# KiCad board MegaDrive.kicad_pcb (continued)
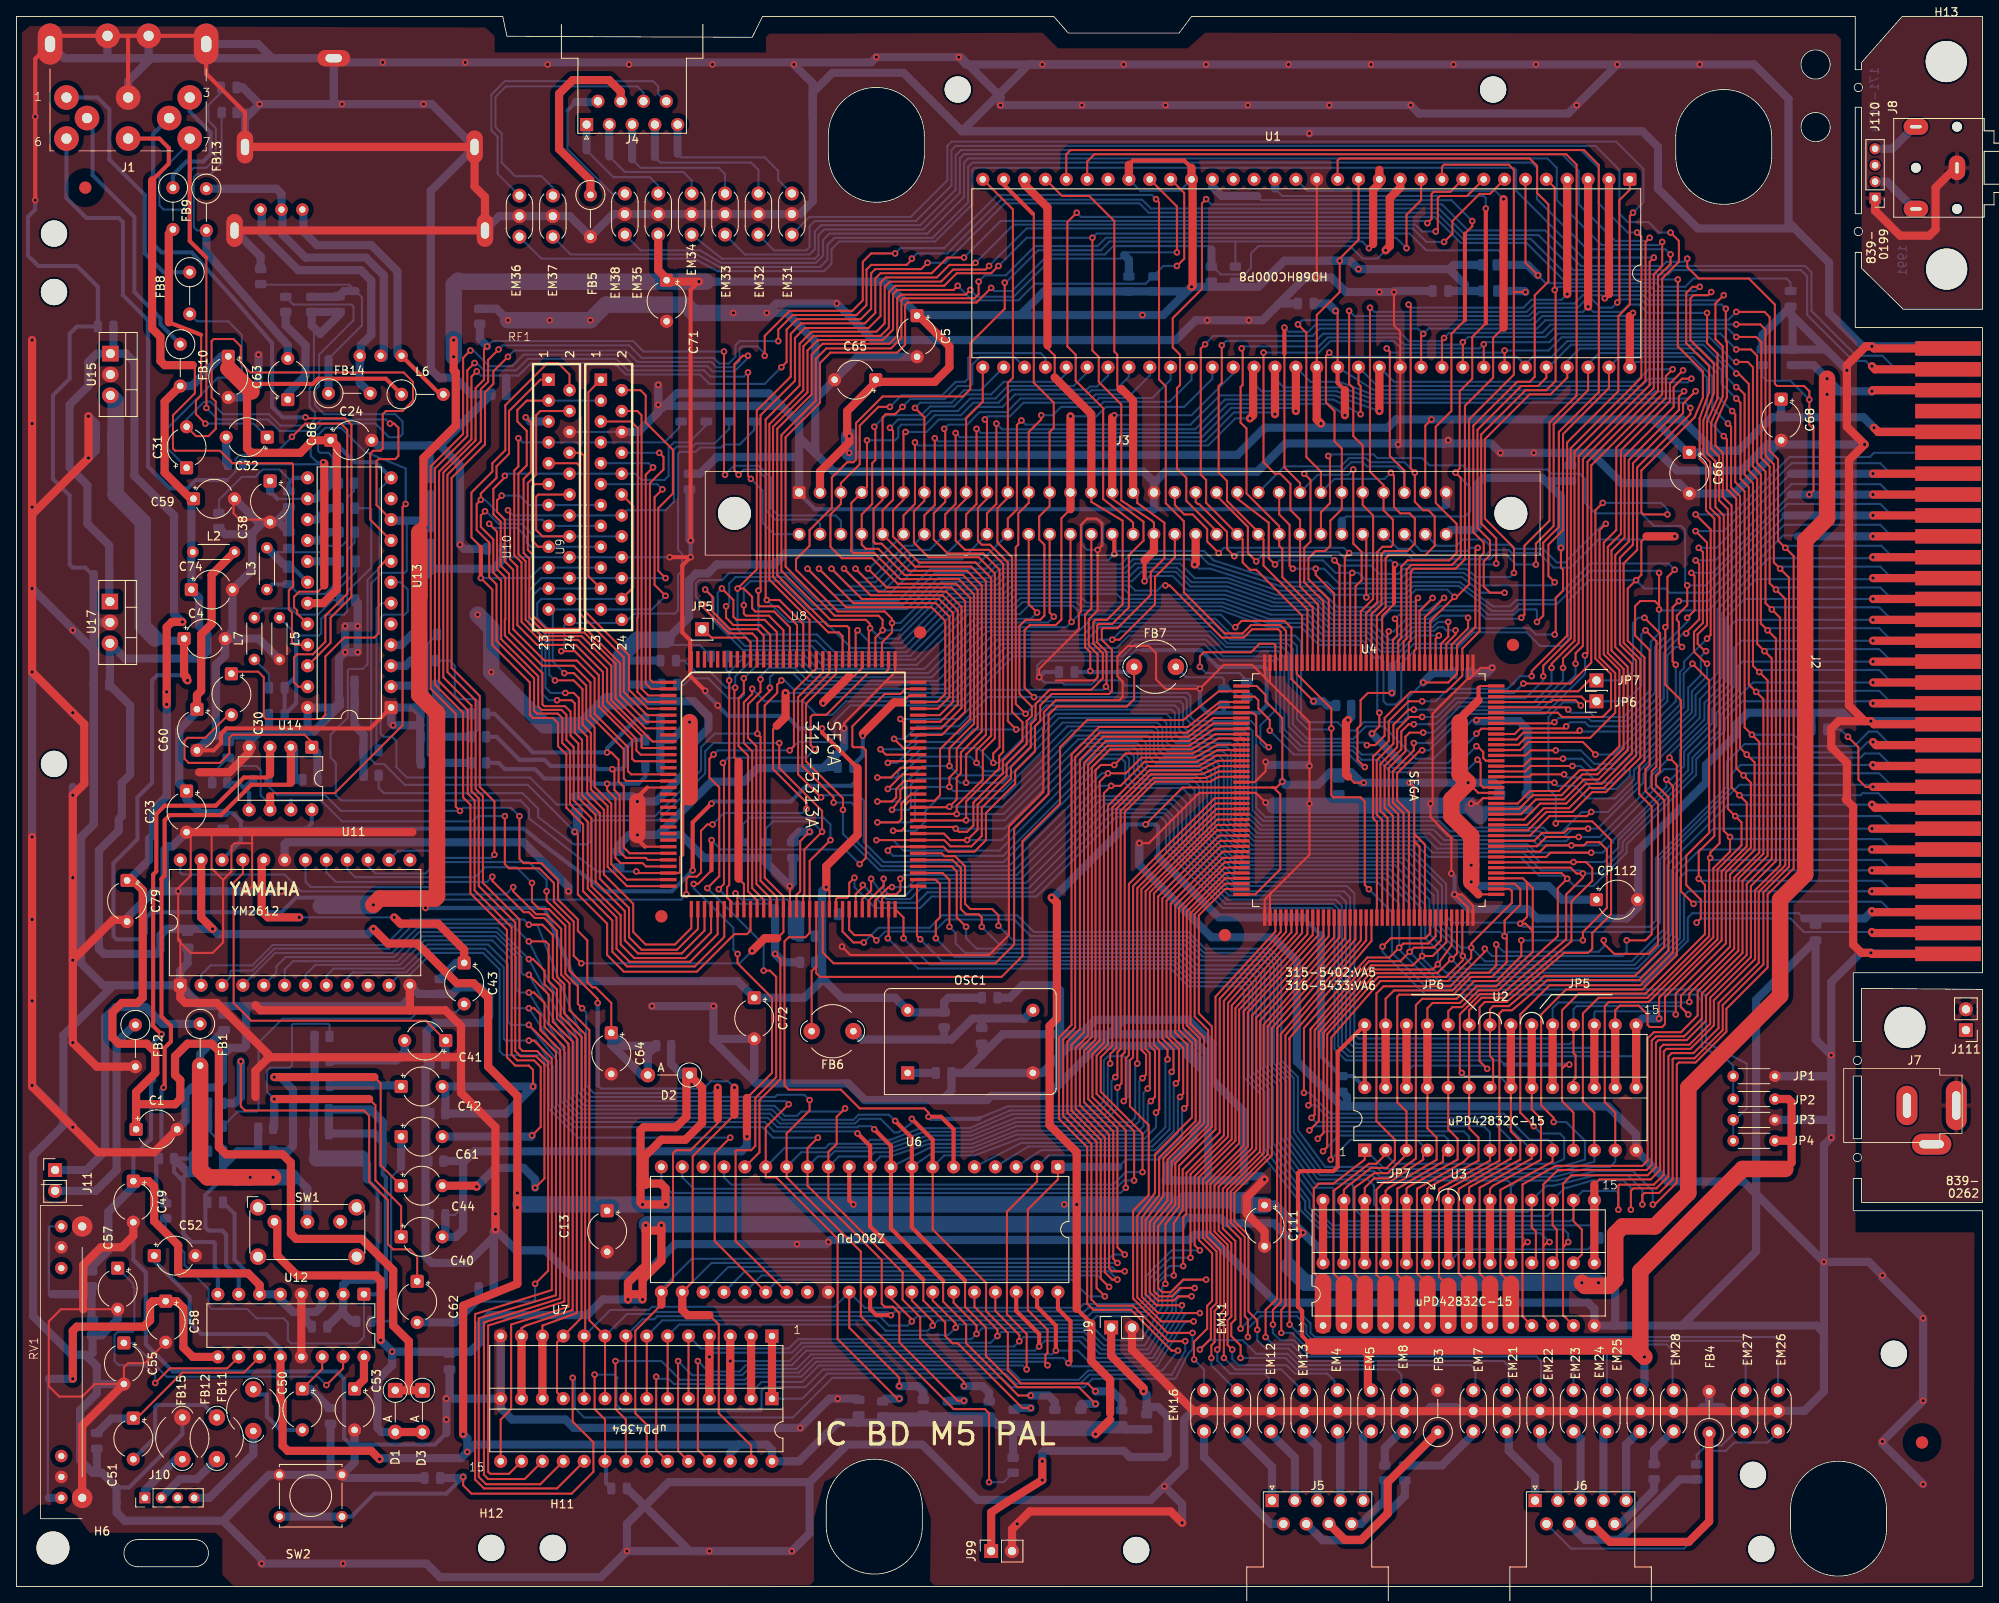
[diagram p0: board, top side]
## Routing (per net, layer and track width the routed paths; a pad name or vN(x,y) marks a point on that pad's centre or on a via; arc(x,y) is an arc through that point) (continued)
/VA10: length 315.3
  Top w0.25: 179.71,86.81 188.02,86.81 v1(188.72,86.11) 187.58,84.96 187.58,79.12 180.34,72.53 177.94,72.53 175.89,70.49 174.75,70.49 174.24,69.98 U2.24 U2.24 174.24,55.63 175.39,54.48 175.39,51.95 169.42,48.64 169.16,48.39 U3.24 ; v1(115.57,97.79) 115.57,101.22 117.98,103.63 117.98,122.3 116.2,124.08 109.35,124.08 J3.b5 105.41,130.94 106.68,132.21 106.68,140.59 v1(106.3,140.97) ; v1(106.55,94.49) 107.57,95.89 107.57,96.9 107.87,97.2 109.59,97.2
  Top w1: U3.24 U3.24 ; J2.b13 v1(225.93,107.44)
  Bottom w0.25: v1(106.55,94.49) 108.58,94.49 108.84,94.74 108.84,97.54 109.6,98.3 114.3,98.3 114.81,97.79 v1(115.57,97.79) 120.02,97.79 127.32,105.1 138.87,105.1 139.45,104.52 139.45,102.24 140.08,101.6 146.81,101.6 147.38,101.03 147.38,93.16 150.37,90.17 170.43,90.17 171.83,88.77 183.01,88.77 185.29,86.49 188.34,86.49 v1(188.72,86.11) 189.61,85.22 191.9,85.22 195.96,89.28 195.96,90.3 204.41,98.75 204.41,100.65 207.9,104.14 207.9,105.54 210.06,107.7 225.68,107.7 v1(225.93,107.44) ; v1(106.3,140.97) 107.32,141.99 110.36,141.99 111.38,143 114.55,143 116.08,144.53 119.13,144.53 120.65,146.05 128.65,146.05 130.3,147.7
/VA11: length 340.8
  Top w0.25: v1(175.89,62.48) 175.66,62.72 175.66,69.62 178.12,72.08 180.72,72.08 188.59,78.74 188.59,84.2 190.63,86.23 v1(190.63,86.74) 189.86,86.74 189.14,87.46 179.71,87.46 ; v1(104.77,95.5) 106.55,95.5 107.06,96.01 107.06,97.03 108.04,98 109.59,98 ; v1(113.54,99.82) 113.54,101.98 116.53,104.97 116.53,120.71 114.68,122.56 107.57,122.56 104.39,125.73 101.85,125.73 101.6,125.98 101.6,131.83 J3.a4 103.51,133.73 v1(103.51,139.45) ; U2.21 181.86,55.37 183.01,54.23 183.01,51.94 176.91,48.64 176.78,48.51 U3.21
  Top w1: J2.b14 v1(225.93,109.98) ; U3.21 U3.21 ; U2.21 U2.21
  Bottom w0.25: U1.39 132.84,147.32 131.51,145.99 130.62,145.99 130.23,145.6 121.09,145.6 119.51,144.02 116.46,144.02 114.93,142.49 111.76,142.49 110.62,141.35 107.7,141.35 107.32,140.97 107.32,139.83 106.93,139.45 v1(103.51,139.45) ; v1(104.77,95.5) 108.2,95.5 108.33,95.63 108.33,97.92 110.24,99.82 v1(113.54,99.82) 114.68,98.68 119.89,98.68 126.87,105.66 139.32,105.66 139.95,105.03 139.95,102.74 140.53,102.17 147.26,102.17 147.83,101.6 147.83,93.47 150.62,90.68 170.94,90.68 172.34,89.28 183.39,89.28 185.55,87.12 190.25,87.12 v1(190.63,86.74) 192.66,86.74 195.45,89.54 195.45,90.55 203.96,99.06 203.96,100.84 207.39,104.27 207.39,106.05 211.33,109.98 v1(225.93,109.98) ; U2.21 180.47,62.1 176.28,62.1 v1(175.89,62.48)
/VA12: length 322.4
  Top w0.25: 179.71,88.11 189.45,88.11 v1(189.48,88.14) 191.01,88.14 191.77,87.38 191.77,85.85 189.23,83.31 189.23,78.49 184.15,74.17 181.1,71.63 178.31,71.63 176.78,70.1 U2.23 U2.23 176.78,55.75 177.93,54.61 177.93,51.82 171.96,48.64 171.7,48.39 U3.23 ; v1(116.84,100.2) 116.84,101.73 118.62,103.51 118.62,122.68 116.71,124.59 109.82,124.59 106.68,127.73 106.68,130.94 107.95,132.21 J3.a6 107.95,140.21 v1(108.2,140.46) ; v1(106.05,97.03) 107.82,98.8 109.59,98.8
  Top w1: U3.23 U3.23 ; J2.b15 v1(225.93,112.52)
  Bottom w0.25: v1(106.05,97.03) 107.7,97.03 107.82,97.16 107.82,98.81 109.98,100.97 116.08,100.97 v1(116.84,100.2) 117.86,99.19 119.51,99.19 126.49,106.17 139.95,106.17 140.46,105.66 140.46,103.25 141.1,102.62 147.7,102.62 148.34,101.98 148.34,93.6 150.76,91.18 171.46,91.18 172.85,89.79 183.77,89.79 185.42,88.14 v1(189.48,88.14) 193.17,88.14 194.94,89.92 194.94,90.8 203.45,99.31 203.45,101.22 206.88,104.65 206.88,106.3 209.55,108.97 209.55,112.01 210.06,112.52 v1(225.93,112.52) ; v1(108.2,140.46) 110.74,140.46 112.27,141.99 115.32,141.99 116.84,143.51 120.02,143.51 121.54,145.03 130.3,145.03 130.81,145.54 133.73,145.54 135.38,147.19 U1.40
/VA13: length 370.4
  Top w0.25: v1(191.64,89.28) 186.69,89.28 186.17,88.76 179.71,88.76 ; v1(184.66,56.01) 183.01,57.66 183.01,69.6 186.56,73.15 197.61,73.15 201.61,77.15 201.61,97.35 v1(200.79,98.17) ; v1(104.77,98.43) 106.43,98.43 107.61,99.6 109.59,99.6 ; 161.54,36.83 160.27,38.1 160.27,48.13 164.59,51.44 165.48,51.44 166.62,52.58 ; v1(112.9,140.84) 113.03,140.72 J3.a8 113.03,131.95 111.63,130.56 111.63,127.38 113.34,125.67 117.66,125.67 119.63,123.7 119.63,102.11 118.87,101.35 v1(118.87,100.2)
  Top w1: J2.b16 v1(225.93,115.06)
  Top w2: 161.54,36.83 U3.2
  Bottom w0.25: v1(184.66,56.01) 185.55,55.12 187.83,55.12 188.36,54.59 188.36,52.09 188.21,51.94 187.07,51.44 167.77,51.44 166.62,52.58 ; v1(225.93,115.06) 209.93,115.06 209.04,114.17 209.04,109.47 206.38,106.81 206.38,105.03 202.95,101.6 202.95,99.82 201.3,98.17 v1(200.79,98.17) 200.79,97.28 194.31,90.81 194.31,90.55 193.04,89.28 v1(191.64,89.28) 184.91,89.28 183.9,90.3 173.36,90.3 172.03,91.63 151.07,91.63 148.9,93.8 148.9,102.43 148.21,103.12 141.61,103.12 140.97,103.76 140.97,106.3 140.59,106.68 125.98,106.68 119.51,100.2 v1(118.87,100.2) 117.09,101.98 110.11,101.98 107.32,99.19 107.32,98.68 107.06,98.43 v1(104.77,98.43) ; v1(112.9,140.84) 113.41,141.35 115.7,141.35 117.22,142.88 120.52,142.88 122.17,144.53 130.81,144.53 131.32,145.03 135.64,145.03 137.92,147.32 U1.41
/VA14: length 321.5
  Top w0.25: v1(106.05,100.2) 106.25,100.4 109.59,100.4 ; v1(190.63,78.61) 190.63,79.63 193.55,82.55 193.55,89.66 192.66,90.55 191.13,90.55 190.75,90.17 v1(189.23,90.17) 186.18,90.17 185.42,89.41 179.71,89.41 ; U3.26 164.08,48.51 165.23,49.66 166.96,49.66 167.1,49.76 170.31,52.07 170.31,70.74 171.07,71.5 175.26,71.5 177.42,73.66 180.09,73.66 183.13,76.71 v1(183.13,78.61) ; v1(117.86,141.99) 118.11,141.73 J3.a10 118.11,132.33 117.01,131.23 117.01,127.21 117.48,126.75 118.49,126.75 120.65,124.59 120.65,105.28 v1(121.67,104.27)
  Top w1: U3.26 U3.26 ; J2.b17 v1(225.93,117.6)
  Bottom w0.25: v1(225.93,117.6) 209.3,117.6 208.53,116.84 208.53,109.86 205.87,107.19 205.87,105.16 202.44,101.73 202.44,99.95 201.93,99.44 200.53,99.44 199.52,98.43 199.52,97.16 192.53,90.17 v1(189.23,90.17) 185.17,90.17 184.53,90.81 173.74,90.81 172.47,92.08 151.38,92.08 149.35,94.11 149.35,103 148.72,103.63 142.11,103.63 141.48,104.27 141.48,106.68 140.97,107.19 125.35,107.19 122.43,104.27 v1(121.67,104.27) 116.46,104.27 114.93,102.74 109.73,102.74 107.19,100.2 v1(106.05,100.2) ; U1.42 140.46,146.81 138.23,144.58 131.76,144.58 131.19,144.02 122.55,144.02 120.9,142.37 118.24,142.37 v1(117.86,141.99) ; v1(183.13,78.61) v1(190.63,78.61)
/VA15: length 358.7
  Top w0.25: v1(122.81,106.17) 121.61,107.37 121.61,126.43 121.92,126.75 121.92,130.56 123.19,131.83 J3.a12 123.19,140.46 124.71,141.99 v1(124.71,142.49) ; U2.1 164.08,51.94 160.27,49.02 158.5,49.02 157.88,48.41 157.88,38.21 159,37.08 ; v1(201.17,100.84) 202.06,99.95 202.06,76.84 197.87,72.64 188.6,72.64 185.55,69.6 185.55,58.55 187.07,57.02 v1(187.07,56.52) ; v1(105.16,101.85) 105.81,101.2 109.59,101.2 ; v1(190.12,91.19) 186.18,91.19 185.05,90.06 179.71,90.06
  Top w1: J2.b18 v1(225.93,120.14)
  Top w2: 159,37.08 U3.1
  Bottom w0.25: v1(225.93,120.14) 210.31,120.14 208.03,117.86 208.03,110.11 205.42,107.5 205.42,105.47 201.17,101.22 v1(201.17,100.84) 198.88,98.55 198.88,97.41 192.66,91.19 v1(190.12,91.19) 189.1,91.19 188.6,90.68 185.55,90.68 184.91,91.31 174.12,91.31 172.85,92.58 151.51,92.58 149.86,94.23 149.86,103.63 149.35,104.14 142.49,104.14 141.98,104.66 141.98,107.33 141.61,107.7 124.34,107.7 122.82,106.17 v1(122.81,106.17) 117.09,106.17 114.68,103.76 109.98,103.76 108.08,101.85 v1(105.16,101.85) ; U1.43 143,146.81 140.32,144.13 132.32,144.13 131.7,143.51 127.13,143.51 126.11,142.49 v1(124.71,142.49) ; v1(187.07,56.52) 188.6,56.52 190.88,54.23 190.88,51.94 187.07,50.8 166.5,50.8 164.21,53.09
/VA16: length 238.8
  Top w0.25: v1(123.83,108.2) 122.68,109.35 122.68,116.33 123.32,116.97 126.49,116.97 127.17,117.65 127.17,129.96 128.27,131.06 ; 179.71,90.71 184.69,90.71 185.67,91.69 188.34,91.69 188.85,92.2 v1(191.26,92.2) ; 109.59,102 107.93,102 v1(106.81,103.12)
  Top w1: v1(128.27,142.37) J3.a14 128.27,131.06 ; J2.b19 v1(225.93,122.68)
  Bottom w0.25: v1(128.27,142.37) 131.44,142.37 132.59,143.51 142.11,143.51 145.54,146.94 U1.44 ; v1(106.81,103.12) 108.08,103.12 109.6,104.65 114.68,104.65 118.24,108.2 v1(123.83,108.2) 142.11,108.2 142.43,107.89 142.43,105.48 143.13,104.78 149.73,104.78 150.43,104.08 150.43,94.43 151.71,93.15 173.17,93.15 174.44,91.88 185.36,91.88 186,91.24 188.4,91.24 189.36,92.2 v1(191.26,92.2) 192.41,92.2 197.99,97.79 197.99,98.81 204.85,105.66 204.85,107.95 207.52,110.62 207.52,118.36 211.71,122.56 225.81,122.56 v1(225.93,122.68)
/VA17: length 238
  Top w0.25: v1(132.59,109.47) 132.66,109.54 132.66,113.72 131.51,114.87 131.51,116.91 131.7,117.09 133.35,117.09 135.38,119.13 135.38,125.48 137.16,127.25 137.16,129.54 133.35,132.33 J3.a16 ; 179.71,91.36 184.19,91.36 186.56,93.73 191.13,93.73 v1(191.64,94.23) ; v1(133.6,142.49) 133.35,142.24 ; v1(107.57,105.54) 107.95,105.16 107.95,103.12 108.27,102.8 109.59,102.8
  Top w1: J2.b20 v1(225.93,125.22) ; 133.35,142.24 J3.a16
  Bottom w0.25: U1.45 148.08,147.57 143,142.49 v1(133.6,142.49) ; v1(225.93,125.22) 225.81,125.1 213.23,125.1 207.01,118.87 207.01,111.13 204.34,108.46 204.34,106.05 197.36,99.06 197.36,97.92 193.68,94.23 v1(191.64,94.23) 190.5,94.23 187.96,91.69 186.44,91.69 185.8,92.33 174.88,92.33 173.61,93.6 152.02,93.6 150.88,94.74 150.88,104.65 150.24,105.28 143.38,105.28 142.88,105.79 142.88,108.33 142.49,108.71 133.35,108.71 v1(132.59,109.47) 132.21,109.09 118.24,109.09 114.68,105.54 v1(107.57,105.54)
/VA18: length 225.3
  Top w0.25: v1(103.63,123.83) 105.92,121.54 113.79,121.54 115.45,119.88 115.45,106.44 112.62,103.6 109.59,103.6 ; 179.71,92.01 183.96,92.01 186.18,94.23 189.36,94.23 191.77,96.65 193.42,96.65 197.61,100.84 197.61,112.78 195.58,114.81 195.58,124.46 197.23,126.11 197.23,136.14 203.71,142.62 v1(203.71,143.38) ; v1(109.35,139.19) 109.35,131.7 107.95,130.3 J3.b6 ; 150.62,142.62 v1(150.11,142.11)
  Top w1: v1(150.11,142.11) 150.5,142.49 150.5,148.21
  Bottom w0.25: J3.b6 103.76,123.83 v1(103.63,123.83) ; v1(109.35,139.19) 109.73,138.81 145.03,138.81 148.34,142.11 v1(150.11,142.11) ; U1.46 150.62,146.3 151.51,145.42 160.66,145.42 164.72,144.02 203.07,144.02 v1(203.71,143.38)
/VA19: length 229.1
  Top w0.25: v1(204.34,145.42) 202.82,143.89 202.82,142.75 196.72,136.65 196.72,126.75 195.13,125.15 195.13,114.62 197.1,112.65 197.1,101.09 193.17,97.16 191.39,97.16 188.92,94.68 185.87,94.68 183.84,92.66 179.71,92.66 ; v1(102.11,123.83) 104.89,121.04 113.15,121.04 115,119.18 115,106.88 112.53,104.4 109.59,104.4 ; J3.b7 110.49,130.3 111.76,131.57 v1(111.76,139.7)
  Top w1: U1.47 v1(153.16,142.62)
  Bottom w0.25: v1(204.34,145.42) 203.45,144.53 164.85,144.53 161.34,145.87 154.23,145.87 153.16,146.94 U1.47 ; v1(111.76,139.7) 112.14,139.32 144.65,139.32 148.17,142.84 152.94,142.84 v1(153.16,142.62) ; J3.b7 109.09,126.62 108.08,126.62 104.14,122.68 103.25,122.68 v1(102.11,123.83)
/VA20: length 227.1
  Top w0.25: 109.59,105.2 112.44,105.2 114.55,107.32 114.55,118.75 112.71,120.59 103.94,120.59 v1(100.71,123.83) ; 179.71,93.31 183.48,93.31 185.42,95.25 188.6,95.25 191.01,97.66 192.91,97.66 196.6,101.35 196.6,112.27 194.56,114.3 194.56,125.48 196.21,127.13 196.21,137.03 202.31,143.13 202.31,144.78 v1(202.95,145.42) ; v1(114.3,140.34) 114.3,131.7 113.03,130.43 J3.b8
  Top w1: U1.48 v1(155.7,143)
  Bottom w0.25: U1.48 157.48,146.56 161.04,146.56 164.97,145.03 199.01,145.03 199.39,145.42 v1(202.95,145.42) ; v1(114.3,140.34) 114.81,139.83 144.27,139.83 147.83,143.38 155.32,143.38 v1(155.7,143) ; J3.b8 111.13,126.11 108.46,126.11 104.52,122.17 102.36,122.17 v1(100.71,123.83)
/VA21: length 244.1
  Top w0.25: v1(160.53,155.19) 160.78,154.94 U1.50 ; 179.71,93.96 183.11,93.96 184.91,95.76 188.34,95.76 190.75,98.17 192.53,98.17 196.09,101.73 196.09,111.89 194.11,113.86 194.11,126.04 195.71,127.64 195.71,137.54 201.68,143.51 201.68,145.92 202.69,146.94 v1(203.83,146.94) ; J3.b9 115.57,130.43 116.84,131.7 v1(116.84,140.84) ; v1(99.19,123.83) 102.87,120.14 112.27,120.14 113.99,118.42 113.99,107.64 112.35,106 109.59,106
  Top w0.5: U1.50 160.78,146.43 161.67,145.54
  Top w1: 161.67,145.54 v1(161.67,142.49)
  Bottom w0.25: v1(203.83,146.94) 203.38,146.49 199.07,146.49 198.12,145.54 165.23,145.54 U1.50 ; v1(161.67,142.49) 159.64,143.89 147.45,143.89 143.89,140.34 117.35,140.34 v1(116.84,140.84) ; v1(99.19,123.83) 101.35,121.67 105.16,121.67 108.97,125.48 113.03,125.48 J3.b9
  Bottom w1: v1(160.53,155.19) 159.64,156.08 C81.2
/VA22: length 234
  Top w0.25: U1.51 163.32,146.3 163.58,146.05 v1(163.58,142.62) ; J3.b10 118.11,130.56 119.25,131.7 v1(119.25,141.48) ; v1(97.66,123.83) 101.85,119.63 111.89,119.63 113.54,117.98 113.54,108.2 112.14,106.8 109.59,106.8 ; 179.71,94.61 182.87,94.61 184.53,96.27 188.02,96.27 190.56,98.81 192.41,98.81 195.58,101.98 195.58,111.63 193.66,113.55 193.66,126.48 195.26,128.07 195.26,138.23 201.23,144.2 201.23,146.36 v1(202.82,147.96)
  Bottom w0.25: U1.51 165.61,146.05 197.74,146.05 198.63,146.94 201.8,146.94 v1(202.82,147.96) ; J3.b10 115.06,124.97 109.35,124.97 105.54,121.16 100.33,121.16 v1(97.66,123.83) ; v1(119.25,141.48) 119.95,140.79 143.45,140.79 147.07,144.4 160.27,144.4 v1(163.58,142.62)
/VA23: length 231.7
  Top w0.25: v1(122.3,141.86) 121.75,141.31 121.75,131.02 120.65,129.92 J3.b11 ; v1(201.55,148.08) 200.73,147.26 200.73,144.6 194.69,138.56 194.69,128.52 193.17,127 193.17,113.41 195.07,111.5 195.07,102.24 192.15,99.31 190.25,99.31 187.71,96.77 184.21,96.77 182.7,95.26 179.71,95.26 ; v1(96.27,123.83) 100.96,119.13 111.38,119.13 113.03,117.48 113.03,108.59 112.05,107.6 109.59,107.6
  Top w1: U1.52 v1(165.86,143)
  Bottom w0.25: J3.b11 117.15,124.52 110.04,124.52 106.17,120.65 99.44,120.65 v1(96.27,123.83) ; U1.52 167.64,146.56 197.1,146.56 198.63,148.08 v1(201.55,148.08) ; v1(122.3,141.86) 122.81,141.35 142.88,141.35 146.43,144.91 160.4,144.91 v1(165.86,143)
/VCLK: length 317.8
  Top w0.25: v1(133.35,115.19) 134.24,115.19 138.56,119.51 138.56,122.81 140.97,125.22 J3.b19 ; v1(164.34,102.36) 165.35,102.36 166.5,103.51 166.5,105.66 169.67,108.84 173.99,108.84 175.96,110.81 175.96,114.11 178.05,116.21 178.05,125.22 178.56,125.73 178.56,127 177.29,128.27 177.29,141.22 182.63,146.56 184.15,146.56 184.77,147.18 184.77,157.08 186.44,158.75 186.44,168.15 185.06,169.53 185.06,172.83 184.15,173.74 161.04,173.74 160.78,173.48 U1.15 ; 92.52,104.71 92.08,104.27 92.08,99.44 96.14,95.38 v1(96.14,94.62) ; v1(81.53,84.2) 81.53,86.11 81.79,86.36 82.8,86.36 83.31,86.87 83.31,91.95 84.07,92.71 v1(84.71,92.71)
  Top w1: v1(93.6,108.71) 93.6,105.79 92.52,104.71
  Bottom w0.25: v1(81.53,84.2) 80.9,83.57 51.82,83.57 50.8,84.58 34.67,84.58 32.64,86.61 20.19,86.61 19.94,86.87 U11.24 ; v1(164.34,102.36) 164.03,102.67 156.79,102.67 154.81,104.65 154.81,113.54 154.06,114.29 147.2,114.29 145.29,116.21 134.37,116.21 v1(133.35,115.19) 131.7,115.19 131.19,114.68 119.89,114.68 113.92,108.71 v1(93.6,108.71) ; v1(96.14,94.62) 95.63,94.11 86.11,94.11 v1(84.71,92.71)
/VD0: length 404.6
  Top w0.25: v1(188.98,63.5) 188.6,63.5 188.09,62.99 ; 167.64,119.63 167.64,119.51 166.21,118.07 166.21,112.01 ; v1(204.85,158.12) 203.96,158.12 203.2,157.35 203.2,151.26 205.99,148.46 205.99,145.29 204.84,142.11 204.84,137.17 205.61,136.4 205.61,130.94 206.63,129.92 206.63,91.31 204.72,89.41 v1(204.72,86.11) 205.49,85.34 205.49,79.38 198.25,72.14 190.12,72.14 188.09,70.1 188.09,62.99 ; 188.09,62.99 188.09,59.06 189.48,57.66 U2.11 ; U1.5 187.2,170.18 v1(187.2,157.73) 187.31,157.62 187.31,146.67 186.18,145.54 183.64,145.54 178.25,140.15 178.25,129.34 180.09,127.51 v1(180.09,124.46) ; v1(148.21,125.35) 147.32,126.24 147.32,128.3 143.92,131.7 143.76,131.7 143.51,131.95 J3.a20 ; v1(101.98,86.23) 101.35,85.6 101.35,84.07 101.09,83.82 99.95,83.82 99.73,83.6 U8.55
  Top w0.5: 167.64,119.63 167.64,124.21 v1(167.77,124.33)
  Bottom w0.25: v1(148.21,125.35) 148.72,125.86 160.91,125.86 161.93,124.84 167.26,124.84 v1(167.77,124.33) 179.96,124.33 v1(180.09,124.46) ; 181.1,63.5 180.59,64.01 161.8,64.01 160.4,65.41 160.4,82.17 160.02,82.55 146.81,82.55 139.88,89.48 139.88,93.03 139.32,93.6 133.79,93.6 124.14,83.95 111.38,83.95 109.98,82.55 104.52,82.55 101.98,85.09 v1(101.98,86.23) ; v1(187.2,157.73) 187.58,158.12 198.88,158.12 199.39,157.61 204.34,157.61 v1(204.85,158.12) ; J2.a4 228.22,84.58 226.95,85.85 204.98,85.85 v1(204.72,86.11)
  Bottom w0.5: 181.1,63.5 v1(188.98,63.5)
/VD1: length 396.2
  Top w0.25: v1(206.25,157.48) 205.87,157.1 204.09,157.1 203.71,156.72 203.71,151.64 206.56,148.79 206.56,145.16 205.29,141.86 205.29,137.61 206.12,136.78 206.12,131.19 207.26,130.05 207.26,90.42 206.12,89.28 v1(206.12,88.65) 205.99,88.52 205.99,79.12 198.5,71.63 192.53,71.63 190.63,69.72 190.63,59.06 192.02,57.66 U2.12 ; v1(103.12,78.36) 101.85,78.36 100.53,79.68 U8.56 ; v1(169.42,155.96) 169.67,155.7 169.67,136.02 v1(170.18,135.51) 170.18,131.95 171.2,130.94 171.83,130.94 172.59,130.18 172.59,126.62 171.45,125.48 167,125.48 166.62,125.1 166.62,119.13 165.56,118.06 165.56,112.01
  Top w1: U1.4 v1(188.72,157.23)
  Bottom w0.25: U2.12 192.02,51.69 187.07,50.29 166.24,50.29 165.48,51.05 159.26,51.05 155.96,55.5 155.96,61.98 153.92,64.01 153.92,76.2 152.53,77.6 144.65,77.6 142.62,79.63 123.83,79.63 121.79,81.66 112.65,81.66 111.13,80.14 104.9,80.14 v1(103.12,78.36) ; J2.a5 228.22,87.12 226.95,88.39 206.38,88.39 v1(206.12,88.65) ; v1(170.18,135.51) 168.91,136.78 164.72,136.78 164.21,137.29 162.18,137.29 161.16,136.27 154.31,136.27 J3.a23 ; v1(169.42,155.96) 169.8,155.58 183.39,155.58 184.35,156.53 188.03,156.53 v1(188.72,157.23) 189.1,157.61 198.5,157.61 199.01,157.1 205.87,157.1 v1(206.25,157.48)
/VD2: length 391.8
  Top w0.25: v1(167.26,135.51) 167.64,135.13 167.64,131.32 168.4,130.56 169.55,130.56 170.18,129.92 170.18,126.87 169.29,125.98 166.5,125.98 166.12,125.6 166.12,119.51 164.91,118.3 164.91,112.01 ; J3.a26 158.75,135.64 156.97,137.41 156.97,152.53 v1(155.96,153.54) ; U8.57 101.33,79.9 101.98,79.25 104.01,79.25 v1(104.65,78.61) ; v1(205.74,154.94) 205.74,151.26 207.01,149.99 207.01,144.53 205.74,141.73 205.74,137.92 206.76,136.91 206.76,131.32 207.77,130.3 207.77,91.95 v1(208.53,91.19) 208.53,89.41 206.5,87.38 206.5,78.99 198.63,71.12 193.8,71.12 193.29,70.61 193.29,58.93 194.56,57.66 U2.13
  Top w1: U1.3 v1(191.26,155.7)
  Bottom w0.25: v1(155.96,153.54) 156.46,154.05 184.28,154.05 185.29,155.07 190.63,155.07 v1(191.26,155.7) 191.9,155.07 195.33,155.07 196.21,155.96 197.49,155.96 198.5,154.94 v1(205.74,154.94) ; v1(208.53,91.19) 208.79,90.93 226.95,90.93 228.22,89.66 J2.a6 ; J3.a26 160.4,134.75 166.5,134.75 v1(167.26,135.51) ; U2.13 194.56,51.69 193.93,51.05 191.77,51.05 187.2,49.84 165.93,49.84 165.23,50.55 158.88,50.55 155.45,55.25 155.45,61.85 153.47,63.82 153.47,76.01 152.4,77.09 144.52,77.09 142.49,79.12 123.44,79.12 121.41,81.15 113.16,81.15 111.69,79.69 105.72,79.69 v1(104.65,78.61)
/VD3: length 368.9
  Top w0.25: 164.26,112.01 164.26,118.41 165.61,119.76 165.61,125.86 166.24,126.49 167.26,126.49 167.51,126.75 167.51,129.79 166.37,130.94 J3.a29 166.37,133.99 164.72,135.64 v1(164.72,155.58) ; U8.58 102.13,84.23 103,85.09 v1(103,85.34) ; 193.8,157.23 v1(193.29,156.72) ; v1(207.77,157.1) 206.76,156.08 206.76,151.77 207.64,150.88 207.64,144.78 206.25,141.61 206.25,138.43 207.21,137.47 207.21,132.14 208.28,131.06 208.28,94.62 v1(209.17,93.73) 209.93,92.96 209.93,90.17 207.01,87.25 207.01,78.74 199.9,71.63 v1(199.9,69.09)
  Top w1: U2.15 U2.15 ; U1.2 193.8,157.23
  Bottom w0.25: v1(103,85.34) 105.16,83.19 109.6,83.19 110.87,84.46 123.7,84.46 133.35,94.11 139.7,94.11 140.33,93.47 140.33,89.85 147.13,83.06 160.27,83.06 160.85,82.48 160.85,65.72 162.05,64.52 196.6,64.52 197.1,65.02 ; v1(209.17,93.73) 226.82,93.73 228.35,92.2 J2.a7 ; v1(207.77,157.1) 207.14,156.46 198.63,156.46 197.99,157.1 193.68,157.1 v1(193.29,156.72) 192.91,157.1 190.63,157.1 189.61,156.08 184.79,156.08 183.77,155.07 165.23,155.07 v1(164.72,155.58)
  Bottom w1: 197.1,65.02 U2.15 197.87,69.09 v1(199.9,69.09)
/VD4: length 373.5
  Top w0.25: v1(208.03,155.45) 208.03,151.51 208.15,151.38 208.15,144.65 206.76,141.48 206.76,138.81 207.66,137.91 207.66,132.58 208.73,131.5 208.73,97.21 v1(209.68,96.27) 210.57,95.38 210.57,90.04 207.52,87 207.52,78.61 200.62,71.72 200.62,68.42 200.28,68.07 198.75,68.07 198.5,68.33 198.5,69.6 197.43,70.67 195.13,70.67 194.56,70.1 U2.16 ; 163.61,112.01 163.61,118.65 165.1,120.14 165.1,130.3 163.83,131.57 J3.a28 163.83,138.81 162.69,139.95 162.69,145.8 162.18,146.3 v1(162.18,155.19) ; v1(194.82,156.21) 195.07,156.46 195.07,168.66 196.34,169.93 U1.1 ; v1(104.01,86.11) 104.01,84.71 102.93,83.63 U8.59
  Top w1: U2.16 U2.16
  Bottom w0.25: v1(162.18,155.19) 162.81,154.56 184.02,154.56 185.04,155.58 189.99,155.58 191.01,156.59 191.77,156.59 192.79,155.58 194.18,155.58 v1(194.82,156.21) 195.2,156.59 197.74,156.59 198.37,155.96 207.52,155.96 v1(208.03,155.45) ; v1(104.01,86.11) 105.41,84.2 105.92,83.64 108.78,83.64 110.11,84.96 123.19,84.96 132.78,94.56 139.89,94.56 140.84,93.6 140.84,90.04 147.32,83.57 160.53,83.57 161.3,82.79 161.3,66.03 162.31,65.02 194.06,65.02 194.56,65.53 U2.16 ; v1(209.68,96.27) 224.41,96.27 224.66,96.52 226.57,96.52 228.35,94.74 J2.a8
/VD5: length 366.4
  Top w0.25: 162.96,112.01 162.96,121.68 163.7,122.43 163.7,125.86 162.69,126.87 v1(162.69,135.89) ; v1(105.54,86.11) 105.54,85.26 103.73,83.46 U8.60 ; 154.31,149.99 154.31,136.14 156.21,134.24 J3.a25 ; v1(207.77,139.95) 208.15,139.57 208.15,133.48 209.3,132.33 209.3,99.57 v1(210.19,98.68) 211.07,97.79 211.07,89.91 208.03,86.87 208.03,78.23 201.93,72.14 v1(201.93,69.6)
  Top w0.5: 154.31,149.99 v1(154.31,153.16) ; 196.34,154.56 v1(196.72,154.94)
  Top w1: U1.64 196.34,154.56 ; U2.17 U2.17
  Bottom w0.25: v1(162.69,135.89) 162.05,135.25 158.37,135.25 J3.a25 ; v1(210.19,98.68) 210.44,98.93 226.69,98.93 228.35,97.28 J2.a9 ; v1(207.77,139.95) 205.74,141.99 205.74,147.07 203.83,148.97 196.98,148.97 U1.64 ; v1(201.93,69.6) 201.55,69.98 192.15,69.98 192.02,69.85 U2.17 192.02,66.04 191.52,65.53 162.81,65.53 161.8,66.55 161.8,83.31 161.04,84.07 147.57,84.07 141.35,90.3 141.35,94.36 140.46,95.25 132.52,95.25 122.87,85.6 109.73,85.6 108.21,84.09 106.29,84.09 105.54,84.84 v1(105.54,86.11) ; v1(154.31,153.16) 154.81,152.65 157.23,152.65 158.12,153.54 184.66,153.54 185.67,154.56 196.34,154.56 v1(196.72,154.94)
/VD6: length 353.7
  Top w0.25: U2.18 189.48,64.9 189.74,64.64 189.74,61.85 189.48,61.6 U2.18 ; U8.61 104.53,83.49 106.13,85.09 v1(106.55,85.09) ; v1(187.2,122.17) 186.44,122.94 186.44,126.75 188.21,128.52 188.21,140.21 193.8,145.8 U1.63 ; v1(203.45,69.6) 202.56,70.49 202.56,71.88 208.53,77.85 208.53,86.61 211.52,89.6 211.52,100.26 v1(210.57,101.22) 209.75,102.04 209.75,132.65 208.66,133.73 208.66,141.1 v1(208.28,141.48) ; J3.a22 148.59,132.33 152.4,129.41 152.4,125.1 v1(153.16,124.33) ; 162.31,112.01 162.31,123.06 v1(162.56,123.32)
  Bottom w0.25: J2.a10 228.22,99.82 226.69,101.35 224.92,101.35 224.41,100.84 210.95,100.84 v1(210.57,101.22) ; v1(153.16,124.33) 153.67,124.84 159,124.84 160.53,123.32 v1(162.56,123.32) 163.32,123.32 164.08,122.56 168.4,122.56 169.16,123.32 176.15,123.32 178.18,121.79 186.82,121.79 v1(187.2,122.17) ; v1(208.28,141.48) 206.38,143.38 206.38,147.19 203.96,149.61 195.07,149.61 U1.63 ; v1(203.45,69.6) 202.44,70.61 189.87,70.61 189.48,70.23 U2.18 189.48,66.42 189.05,65.98 163.13,65.98 162.31,66.8 162.31,83.82 161.54,84.58 147.83,84.58 141.86,90.55 141.86,94.74 140.9,95.7 131.89,95.7 122.3,86.11 109.47,86.11 108.46,85.09 v1(106.55,85.09)
/VD7: length 358.1
  Top w0.25: v1(208.79,143) 209.17,142.62 209.17,134.37 210.31,133.22 210.31,104.52 v1(211.2,103.63) 212.09,102.74 212.09,89.28 209.04,86.23 209.04,77.6 203.58,72.14 v1(203.58,71.12) ; v1(184.91,124.33) 184.91,126.87 187.07,129.03 187.07,141.35 191.26,145.54 U1.62 ; U8.62 105.33,83.65 105.88,84.2 107.06,84.2 107.57,84.71 v1(107.57,86.11) ; J3.a19 140.97,131.57 142.11,130.43 143.13,130.43 144.91,128.65 144.91,127.13 v1(146.3,125.73) ; v1(162.18,125.73) 161.66,125.21 161.66,112.01
  Top w1: U2.19 U2.19
  Bottom w0.25: J2.a11 228.09,102.36 226.44,104.01 225.43,104.01 223.65,102.24 217.68,102.24 216.28,103.63 v1(211.2,103.63) ; v1(146.3,125.73) 146.94,126.37 161.54,126.37 v1(162.18,125.73) 169.16,125.73 169.93,124.97 179.32,124.97 179.96,125.6 181.23,125.6 182.5,124.33 v1(184.91,124.33) ; v1(203.58,71.12) 203.52,71.06 187.65,71.06 186.94,70.36 U2.19 186.94,67.06 186.56,66.68 163.32,66.68 162.81,67.18 162.81,84.33 161.93,85.22 147.95,85.22 142.37,90.81 142.37,95.38 141.59,96.15 131.33,96.15 121.73,86.56 108.02,86.56 v1(107.57,86.11) ; v1(208.79,143) 207.01,144.78 207.01,147.57 204.53,150.06 192.6,150.06 191.26,148.72
/VD8: length 382.6
  Top w0.25: v1(209.3,144.53) 209.8,144.02 209.8,134.75 210.82,133.73 210.82,109.73 v1(211.71,108.84) 212.6,107.95 212.6,89.15 209.55,86.1 209.55,77.34 204.6,72.39 204.6,69.47 202.56,67.44 199.26,67.44 198.5,66.68 198.5,51.82 197.87,51.18 187.32,51.18 183.28,48.91 183.28,41.4 ; 105.99,78.92 v1(106.05,78.87) 106.13,78.96 U8.63 ; 146.05,132.72 149.86,128.91 149.86,125.73 v1(150.88,124.71) ; 183.28,41.4 183.79,41.91 v1(183.9,41.91) ; 183.28,41.4 183.28,32.88 U3.11 ; 161.01,112.01 161.01,124.24 v1(160.4,124.84) ; v1(182.25,123.32) 182.25,126.37 178.7,129.91 178.7,139.58 184.15,145.03 186.69,145.03 188.72,147.07 U1.61
  Bottom w0.25: v1(182.25,123.32) 181.74,122.81 177.67,122.81 176.4,123.83 168.78,123.83 168.15,123.19 165.86,123.19 164.85,124.21 161.04,124.21 v1(160.4,124.84) 159.95,125.29 151.45,125.29 v1(150.88,124.71) ; v1(106.05,78.87) 109.73,75.18 140.46,75.18 142.62,73.03 148.97,73.03 149.35,72.64 149.35,61.98 151.38,59.94 151.38,52.83 156.21,46.74 156.21,45.85 159.52,42.53 183.27,42.53 v1(183.9,41.91) ; v1(211.71,108.84) 211.84,108.97 226.69,108.97 228.22,107.44 J2.a13 ; v1(209.3,144.53) 207.52,146.3 207.52,147.96 204.85,150.62 190.25,150.62 188.72,149.1 U1.61